# Altium PCB Iris.PcbDoc (part 2 of 13) (continued)
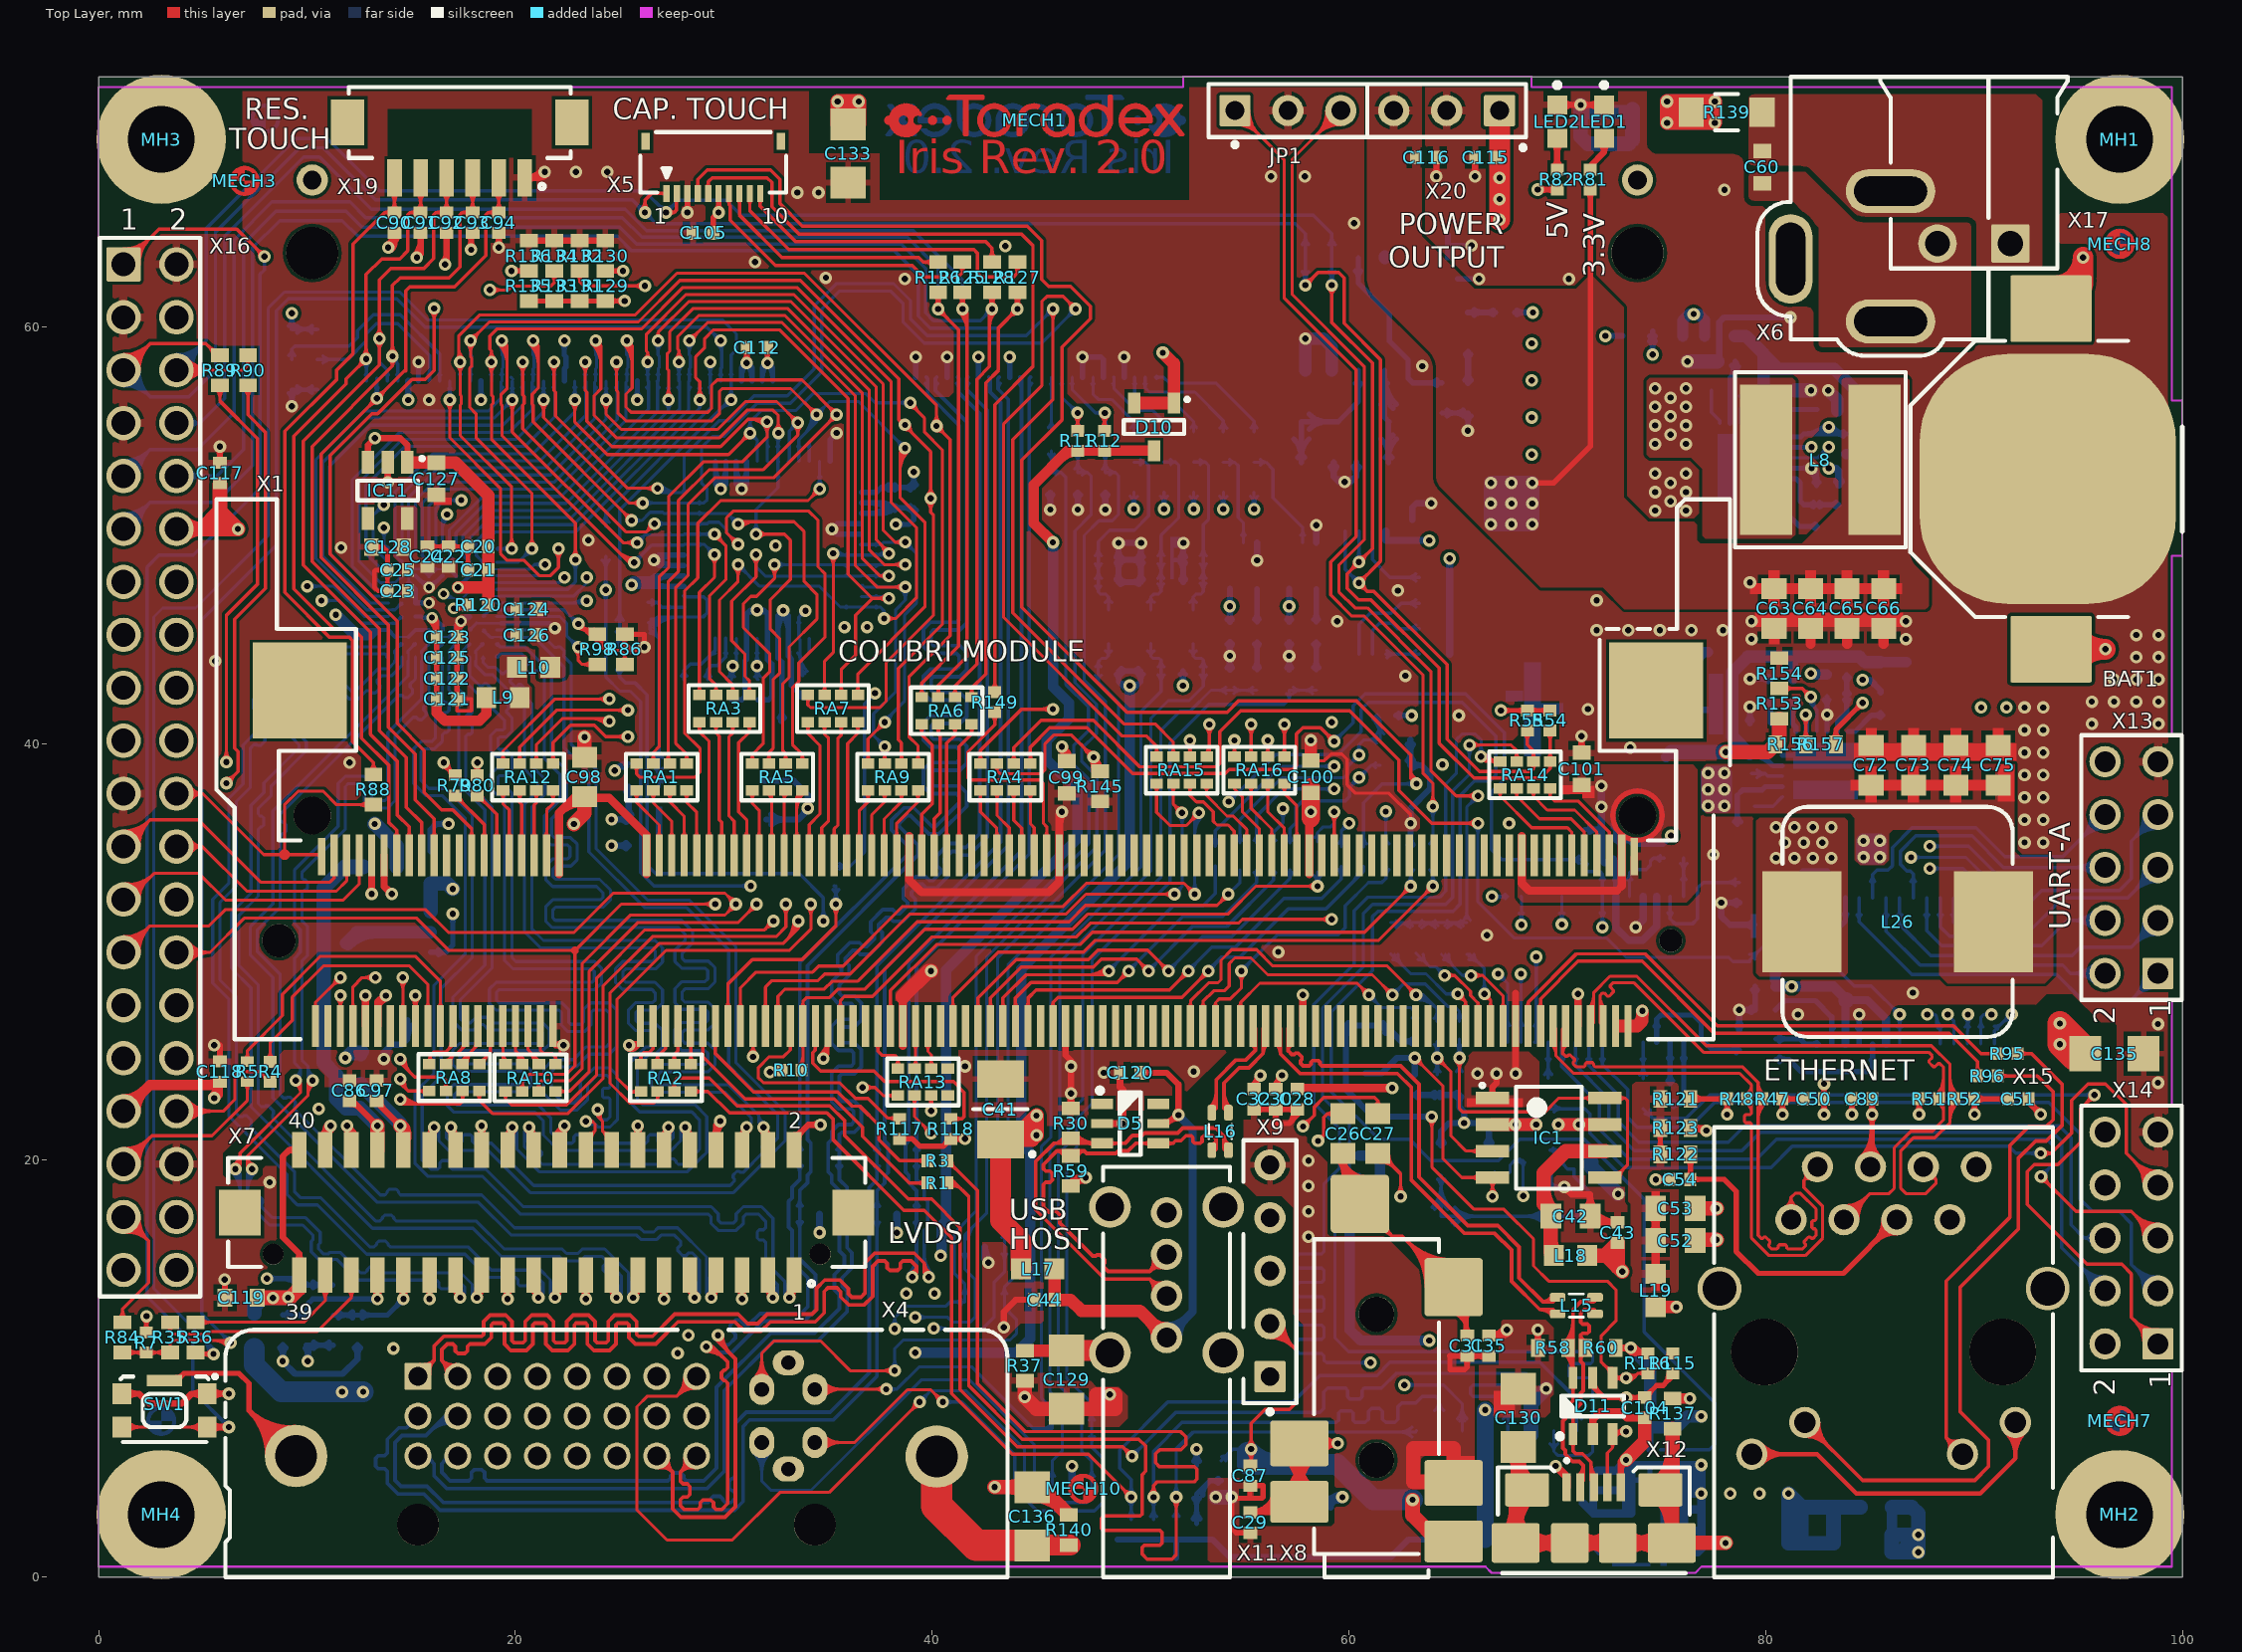
[diagram p0: Top Layer view]
## Part data (continued)

## Via types
v1: diameter 0.6, hole 0.3, Top Layer to Bottom Layer, tented both sides, 651 vias
v2: diameter 0.55, hole 0.3, Top Layer to Bottom Layer, tented both sides, 7 vias

## Nets (pads, with @x,y where several pads share a name; then routed paths per layer and width w, separated by ;. In a path a pad name is that pad's centre, name@x,y a point inside that pad or via, vN(x,y) a via of type N, cw(c..) or ccw(c..) an arc to the next point about the centre after c; other vN are vias at no path point)
1.8V_LVDS: C22.2 C23.2 C24.2 C25.2 C128.2 IC9.G3 IC9.G5 IC11.5 L9.1 L10.1 | length 2.8
  Bottom Layer w0.2: IC9.G3@15.2,48.05 v2@15.748,47.502 ; 15.378,47.872 ccw(c15.85,48.344) 15.85,47.677 ccw(c15.85,48.344) 16.322,47.872 ; v2@15.952,47.502 IC9.G5@16.5,48.05
  Bottom Layer w0.254: v2@15.748,47.502 v2(15.85,47.502) v2@15.952,47.502
3.3V: C20.2 C21.2 C33.2 C36.2 C45.2 C63.2 C64.2 C65.2 C66.2 C98.2 C99.1 C100.1 C101.1 C105.2 C112.2 C116.1 C118.2 C127.2 C132.2 IC4.23 IC4.26 IC6.23 IC6.26 IC7.3 IC9.G7 IC11.1 IC11.3 IC12.8 IC13.3 L8.2 L19.1 L25.1 R6.1 R24.2 R27.2 R29.1 R43.1 R49.2 R50.2 R53.2 R54.2 R55.2 R56.2 R61.2 R66.2 R75.1 R81.2 R106.1 R107.1 R117.1 R118.1 R119.1 R120.1 R129.1 R131.1 R133.1 R135.1 R141.2 R142.2 R143.2 R144.2 R145.2 X1.40 X1.42 X1.84 X1.108 X1.148 X1.182 X1.198 X1.200 X3.3 X3.4 X3.36 X5.6 X15.9 X15.12 X16.33 X20.3 | length 275.8
  Top Layer w0.15: R129.1@24.306,61.242 v1@25.235,61.242 ; R129.1@24.582,61.063 cw(c25.014,60.631) v1@25.014,61.242 ; R129.1@24.582,61.065 cw(c25.009,60.638) 25.009,61.242 cw(c25.009,61.845) R129.1@24.582,61.418 ; R129.1@24.582,61.416 ccw(c25.004,61.838) v1@25.004,61.242 ; 24.805,61.186 cw(c24.869,60.948) v1@25.061,61.101 ; 24.806,61.187 cw(c24.869,60.952) v1@25.06,61.103 ; 24.806,61.296 ccw(c24.869,61.531) v1@25.06,61.381 ; 24.807,61.294 ccw(c24.869,61.527) v1@25.059,61.379 ; 24.832,61.193 ccw(c24.742,61.527) 25.042,61.354 cw(c24.746,61.525) 24.835,61.195 ; 24.835,61.288 cw(c24.746,60.958) 25.042,61.129 ccw(c24.751,60.961) 24.838,61.286 ; v1@25.078,61.083 ccw(c24.694,60.698) 24.694,61.242 ccw(c24.694,61.785) v1@25.078,61.401
  Top Layer w0.2: X15.9@79.341,5.9 82.467,5.9 84.353,4.013 90.297,4.013 91.991,5.707 X15.12@91.991,7.42 ; X15.9@79.659,5.582 cw(c80.427,4.814) 80.427,5.9 cw(c80.427,6.986) X15.9@79.659,6.218 ; X15.9@79.801,5.44 cw(c80.91,4.331) 80.91,5.9 cw(c80.91,7.469) X15.9@79.801,6.36 ; X15.12@91.531,6.96 cw(c90.422,5.851) 91.991,5.851 cw(c93.56,5.851) X15.12@92.451,6.96 ; X15.12@91.673,7.102 cw(c90.905,6.334) 91.991,6.334 cw(c93.077,6.334) X15.12@92.309,7.102
  Top Layer w0.254: R135.1@20.642,61.239 24.306,61.239 R129.1@24.308,61.237 ; C105.2@29.382,64.697 ccw(c29.103,64.975) 29.497,64.975 ccw(c29.89,64.975) C105.2@29.612,64.697 ; C105.2@29.497,64.516 29.497,65.236 ; v1@29.578,65.47 cw(c29.296,65.437) 29.497,65.236 ; v1@29.628,65.612 ccw(c29.332,65.907) 29.75,65.907 ccw(c30.168,65.907) v1@29.872,65.612 ; v1@29.73,65.318 ccw(c29.698,65.036) 29.497,65.236 ; X5.6@29.75,66.4 v1(29.75,65.49) 29.497,65.236 ; v1@30.978,58.394 ccw(c30.664,58.708) C112.2@31.108,58.708 ; C112.2@30.992,58.849 cw(c30.714,58.571) 31.108,58.571 cw(c31.501,58.571) C112.2@31.223,58.849 ; v1@31.01,58.42 ccw(c30.914,58.578) 31.093,58.626 ; v1(31.1,58.272) 31.108,58.28 C112.2@31.108,58.953 ; 31.108,58.671 ccw(c31.499,58.671) v1@31.222,58.394 ; 31.129,58.65 ccw(c31.356,58.59) v1@31.208,58.407 ; R117.1@38.43,21.034 39.063,21.034 39.421,20.676 40.536,20.676 R118.1@40.894,21.034 v1(41.58,21.034) ; R117.1@38.567,20.922 cw(c38.837,20.652) 38.837,21.034 cw(c38.837,21.415) R117.1@38.567,21.146 ; 40.582,20.721 ccw(c40.269,21.034) R118.1@40.711,21.034 ; R118.1@40.642,20.782 cw(c40.869,20.555) R118.1@40.869,20.876 ; R118.1@41.031,20.922 cw(c41.3,20.652) 41.3,21.034 cw(c41.3,21.415) R118.1@41.031,21.146 ; 41.231,21.015 cw(c41.279,20.833) v1@41.436,20.938 ; 41.231,21.052 ccw(c41.279,21.234) v1@41.436,21.13 ; v1@41.457,20.911 ccw(c41.162,20.616) 41.162,21.034 ccw(c41.162,21.451) v1@41.457,21.156 ; v1(67.297,41.59) R54.2@69.659,41.59 ; v1@67.43,41.478 cw(c67.7,41.208) 67.7,41.59 cw(c67.7,41.971) v1@67.43,41.701 ; R55.2@68.43,41.478 ccw(c68.161,41.208) 68.161,41.59 ccw(c68.161,41.971) R55.2@68.43,41.701 ; R55.2@68.704,41.478 cw(c68.973,41.208) 68.973,41.59 cw(c68.973,41.971) R55.2@68.704,41.701 ; v1(68.796,52.514) 69.837,52.514 71.59,54.267 R81.2@71.59,66.587 ; R54.2@69.522,41.478 ccw(c69.253,41.208) 69.253,41.59 ccw(c69.253,41.971) R54.2@69.522,41.701 ; R81.2@71.478,66.425 cw(c71.208,66.155) 71.59,66.155 cw(c71.971,66.155) R81.2@71.701,66.425 ; 75.032,36.546 ccw(c73.85,36.546) 75.032,36.546
  Top Layer w0.3: IC11.3@12.918,53.496 12.918,54.32 v1(13.258,54.66) ; v1@13.131,54.66 v1(13.258,54.66) ; v1@13.237,54.554 cw(c13.493,54.298) 13.493,54.66 cw(c13.493,55.022) v1@13.237,54.766 ; IC11.1@14.818,53.496 14.818,54.32 14.479,54.66 v1(13.258,54.66) ; C127.2@16.189,53.496 C127.2@16.205,53.48
  Top Layer w0.35: 72.873,32.944 73.1,33.171
  Top Layer w0.4: X1.40@22.1,33.731 22.1,36.68 ; C98.2@22.869,37.448 22.1,36.68 ; C98.2@23.343,37.398 24.501,37.398 26.3,35.6 X1.42@26.3,33.731 ; C98.2@23.506,37.151 ccw(c23.277,35.503) 22.1,36.68 ; X1.84@38.9,35.56 38.9,33.465 39.497,32.868 45.593,32.868 46.1,33.375 v1@46.1,36.601 ; 46.1,36.18 cw(c46.775,36.18) v1@46.298,36.658 ; X1.148@58.1,33.731 v1@58.1,36.881 ; v1@58.1,36.455 cw(c58.602,36.455) v1@58.247,36.81 ; X1.182@68.3,35.56 68.3,33.3 68.656,32.944 72.873,32.944 ; 73.1,33.171 X1.198@73.1,34.646 X1.198@73.1,35.543
  Top Layer w0.5: X16.33@1.191,22.36 2.453,23.622 5.57,23.622 5.715,23.767 5.715,23.165 v1(5.537,22.987) ; X16.33@1.191,22.935 ccw(c1.191,24.323) 2.173,23.342 ccw(c3.154,22.36) X16.33@1.766,22.36 ; 5.331,23.622 ccw(c5.331,24.213) C118.2@5.748,23.795 ; v1@5.502,23.022 ccw(c4.987,23.537) C118.2@5.715,23.537
  Top Layer w0.6: IC11.1@14.818,53.496 C127.2@16.189,53.496 ; C127.2@16.205,53.48 17.132,53.48 18.694,51.918 18.694,47.496 ; v2(17.246,47.496) 18.694,47.496 ; R120.1@18.694,46.66 18.694,47.496 ; L19.1@74.722,12.958 v1@75.714,12.958
  Top Layer w0.7: v1(22.809,36.144) 23.317,36.652 C98.2@23.317,37.448
  Top Layer w0.9: 58.176,36.427 C100.1@58.176,37.897
  MidLayer1 w1: v1(9.271,60.653) 14.836,60.653 15.684,59.805 16.676,59.805 17.526,60.655 20.93,60.655 24.308,64.033 28.294,64.033 v1(29.75,65.49)
  MidLayer2 w0.7: v1(66.815,50.533) v1(66.815,52.515) v1(68.796,52.514) v1(68.796,50.533) v1(66.815,50.533)
  MidLayer2 w1: v1(79.248,47.737) 83.134,51.623 v1@83.134,53.213
  Bottom Layer w0.2: R43.1@9.112,60.041 ccw(c8.728,60.425) 9.271,60.425 ccw(c9.814,60.425) R43.1@9.43,60.041 ; v1@9.13,60.511 cw(c8.788,60.17) 9.271,60.17 cw(c9.754,60.17) v1@9.412,60.511 ; v1@9.145,60.497 cw(c8.996,60.313) 9.225,60.252 ; v1@9.171,60.479 cw(c9.03,60.236) 9.302,60.308 ; 9.24,60.308 cw(c9.512,60.236) v1@9.371,60.479 ; v1(9.271,60.653) R43.1@9.271,59.882 9.274,59.885 R75.1@10.49,59.885 ; 9.317,60.252 cw(c9.546,60.313) v1@9.397,60.497 ; R43.1@9.53,59.723 cw(c9.922,59.331) 9.922,59.885 ; R43.1@9.53,60.041 ccw(c9.906,60.417) 9.906,59.885 ; R75.1@10.231,59.726 ccw(c9.847,59.342) 9.847,59.885 ccw(c9.847,60.428) R75.1@10.231,60.044 ; v2(17.246,47.496) IC9.G7@17.8,48.05 ; v2@17.246,47.671 ccw(c17.246,48.094) 17.545,47.795 ccw(c17.844,47.496) v2@17.421,47.496
  Bottom Layer w0.254: IC7.3@15.93,29.987 16.652,29.987 16.993,30.328 v1(16.993,31.826) ; IC7.3@16.302,29.865 cw(c16.597,29.57) 16.597,29.987 cw(c16.597,30.405) IC7.3@16.302,30.11 ; v1@16.87,31.704 cw(c16.575,31.409) 16.993,31.409 cw(c17.41,31.409) v1@17.115,31.704 ; X3.4@30.85,57.4 30.85,58.022 v1(31.1,58.272) 31.35,58.022 X3.3@31.35,57.4 ; X3.4@30.85,57.568 cw(c31.861,57.568) v1@31.211,58.343 ; 30.85,57.91 cw(c31.404,57.91) v1@31.048,58.334 ; v1@30.989,58.343 cw(c30.339,57.568) X3.3@31.35,57.568 ; v1@31.152,58.334 cw(c30.796,57.91) 31.35,57.91 ; R119.1@62.255,41.354 R119.1@62.253,41.351 62.255,41.349 v1(63.015,41.349) ; R119.1@62.39,41.239 cw(c62.653,40.976) 62.653,41.349 ; R119.1@62.39,41.463 ccw(c62.666,41.739) 62.666,41.349 ; v1@62.892,41.226 ccw(c62.597,40.931) 62.597,41.349 ccw(c62.597,41.766) v1@62.892,41.471 ; R53.2@64.465,55.866 R56.2@65.717,55.866 65.717,55.023 v1(65.71,55.016) ; R53.2@64.705,55.726 cw(c65.043,55.388) 65.043,55.866 cw(c65.043,56.344) R53.2@64.705,56.006 ; R56.2@65.477,55.726 ccw(c65.139,55.388) 65.139,55.866 ccw(c65.139,56.344) R56.2@65.477,56.006 ; R56.2@65.577,55.726 cw(c65.239,55.388) 65.717,55.388 cw(c66.195,55.388) R56.2@65.857,55.726 ; v1@65.587,55.139 ccw(c65.275,55.451) 65.717,55.451 ; 65.717,55.417 ccw(c66.111,55.417) v1@65.832,55.139 ; R107.1@71.323,35.879 72.106,35.879 72.118,35.89 ; R107.1@71.563,35.739 cw(c71.901,35.401) 71.901,35.879 cw(c71.901,36.357) R107.1@71.563,36.019 ; 72.093,35.739 ccw(c71.755,35.401) 71.755,35.879 ccw(c71.755,36.357) 72.093,36.019 ; C45.2@72.705,34.269 cw(c72.426,33.991) 72.82,33.991 cw(c73.214,33.991) C45.2@72.935,34.269 ; IC6.23@72.751,33.439 ccw(c72.583,33.607) 72.82,33.607 ccw(c73.057,33.607) IC6.23@72.889,33.439 ; IC6.23@72.82,32.67 C45.2@72.82,34.283 ; 84.126,27.686 ccw(c83.871,27.686) 84.126,27.686
  Bottom Layer w0.3: v1@14.744,56.596 ccw(c14.488,56.852) 14.85,56.852 ccw(c15.212,56.852) v1@14.956,56.596 ; v1(14.85,56.49) X3.36@14.85,57.4 ; v1(24.613,36.36) R6.1@25.437,36.36 R29.1@25.437,37.922 ; v1@24.719,36.254 cw(c24.975,35.998) 24.975,36.36 cw(c24.975,36.722) v1@24.719,36.466 ; R6.1@25.313,36.236 ccw(c25.015,35.938) 25.015,36.36 ccw(c25.015,36.783) R6.1@25.313,36.484 ; R6.1@25.313,36.584 ccw(c25.015,36.883) 25.437,36.883 ccw(c25.859,36.883) R6.1@25.561,36.584 ; R29.1@25.313,37.698 cw(c25.015,37.4) 25.437,37.4 cw(c25.859,37.4) R29.1@25.561,37.698 ; R61.2@63.17,23.142 R50.2@65.303,23.142 65.303,22.555 65.532,22.327 v1(65.532,21.793) ; R61.2@63.29,23.047 cw(c63.521,22.816) 63.521,23.142 cw(c63.521,23.468) R61.2@63.29,23.237 ; R49.2@64.116,23.047 ccw(c63.886,22.816) 63.886,23.142 ccw(c63.886,23.468) R49.2@64.116,23.237 ; R27.2@64.305,20.839 ccw(c64.007,21.137) 64.429,21.137 ccw(c64.851,21.137) R27.2@64.553,20.839 ; R49.2@64.357,23.047 cw(c64.588,22.816) 64.588,23.142 cw(c64.588,23.468) R49.2@64.357,23.237 ; R27.2@64.429,20.715 64.429,21.401 64.821,21.793 v1(65.532,21.793) ; R50.2@65.183,23.047 ccw(c64.952,22.816) 64.952,23.142 ccw(c64.952,23.468) R50.2@65.183,23.237 ; R50.2@65.208,23.047 cw(c64.977,22.816) 65.303,22.816 cw(c65.629,22.816) R50.2@65.399,23.047 ; v1@65.426,21.687 ccw(c65.17,21.431) 65.17,21.793 ccw(c65.17,22.155) 65.426,21.899 ccw(c65.17,22.155) 65.532,22.155 ccw(c65.894,22.155) 65.638,21.899 ccw(c65.894,22.155) 65.894,21.793 ccw(c65.894,21.431) v1@65.638,21.687 ; R24.2@66.602,20.839 ccw(c66.303,21.137) 66.726,21.137 ccw(c67.148,21.137) R24.2@66.85,20.839 ; R24.2@66.726,20.715 66.726,21.438 66.37,21.793 v1(65.532,21.793)
  Bottom Layer w0.35: IC12.8@61.783,50.194 61.783,49.751 C132.2@63.043,49.751 v1(63.863,49.751) ; R141.2@64.835,44.294 R142.2@64.835,45.517 R143.2@64.835,46.736 R144.2@64.835,47.955 v1(64.835,48.881) ; v1@72.03,36.877 cw(c71.816,36.663) 72.118,36.663 cw(c72.42,36.663) v1@72.206,36.877 ; v1@72.03,37.054 ccw(c71.816,37.267) 72.118,37.267 ccw(c72.42,37.267) v1@72.206,37.054 ; v1@72.03,37.875 cw(c71.816,37.661) 72.118,37.661 cw(c72.42,37.661) v1@72.206,37.875 ; v1@72.118,38.065 v1(72.118,37.963) v1(72.118,36.965) 72.118,35.89 72.118,34.435 72.27,34.283 ; C45.2@72.697,34.464 cw(c72.27,34.875) 72.27,34.283 ; IC6.23@72.82,32.67 72.82,31.168 73.419,30.569 74.105,30.569 74.77,31.234 IC6.26@74.77,32.67 ; C45.2@72.82,34.283 72.27,34.283 ; IC13.3@74.451,6.11 C33.2@74.451,7.181 ; v1(83.033,53.217) 83.384,53.217 83.515,53.086 ; v1@83.107,53.116 cw(c83.293,52.864) 83.515,53.086 ; v1@83.121,53.129 cw(c83.334,52.915) 83.334,53.217 cw(c83.334,53.519) v1@83.121,53.305 ; R66.2@83.403,52.586 ccw(c83.134,52.855) 83.515,52.855 ccw(c83.897,52.855) R66.2@83.627,52.586 ; R66.2@83.515,52.423 83.515,53.086
  Bottom Layer w0.4: R106.1@80.684,29.427 R106.1@80.684,29.54 ; IC4.26@83.835,25.59 83.835,27.65 83.871,27.686 84.887,27.686 85.785,26.788 IC4.23@85.785,25.59
  Bottom Layer w0.5: 80.446,28.685 cw(c81.44,28.685) R106.1@80.737,29.387 ; 80.446,28.744 R106.1@80.446,29.545 ; R106.1@80.446,29.189 R106.1@80.684,29.427 ; C36.2@80.472,28.338 83.244,28.338 83.835,27.747
  Bottom Layer w0.6: L25.1@12.577,25.05 ccw(c12.302,24.452) v1(11.836,24.917) 12.128,25.209 L25.1@12.675,25.209 ; C33.2@74.451,7.181 75.71,7.181 76.251,7.722 v1(76.911,7.722)
  Bottom Layer w0.7: v1(66.815,50.533) v1(68.796,50.533) v1(68.796,52.514) v1(66.815,52.515) v1(66.815,50.533)
  other v1: 75.717,12.958 81.255,28.338 46.227,36.728 58.176,36.728 67.805,50.533 66.815,51.524 67.805,51.524 68.796,51.524 67.805,52.515 25.237,61.242
3.3V_MMC: C34.2 C137.2 C138.2 C139.2 IC13.1 R101.2 R102.2 R103.2 R104.2 R105.2 X10.4 | length 50.9
  MidLayer2 w0.8: v1(63.856,11.354) 63.856,10.71 v1(66.539,8.026)
  Bottom Layer w0.3: 48.895,1.806 R104.2@50.622,1.806 R105.2@51.689,1.806 ; 51.714,0.914 R105.2@51.714,1.806 53.439,1.806 54.28,0.965 62.027,0.965 62.868,1.806 71.397,1.806 72.019,1.184 C139.2@73.558,1.184
  Bottom Layer w0.5: R101.2@60.5,20.218 61.163,20.218 61.491,19.891 R103.2@61.491,19.329 61.491,18.463 60.046,17.018 60.046,11.862 60.554,11.354 v1(63.856,11.354)
  Bottom Layer w0.8: 66.539,1.806 v1(66.539,8.026)
3.3V_PGOOD: IC5.1 R64.2 R157.2 | length 33.9
  Top Layer w0.254: R157.2@83.223,40.223 ccw(c82.852,40.594) 83.377,40.594 ccw(c83.902,40.594) R157.2@83.531,40.223 ; R157.2@83.377,39.968 83.377,40.68 v1(84.658,41.961) ; v1@84.485,41.961 cw(c84.068,41.961) 84.363,41.665 cw(c84.658,41.37) v1@84.658,41.788
  MidLayer2 w0.3: v1@83.03,55.044 cw(c83.03,54.682) 83.286,54.938 cw(c83.542,55.194) v1@83.18,55.194 ; v1(83.03,55.194) 85.344,52.88 85.344,42.647 v1(84.658,41.961) ; 84.914,42.217 cw(c84.658,42.473) 84.658,42.111 ccw(c84.658,42.473) 84.914,42.217 ; 84.914,42.217 ccw(c85.17,41.961) 84.808,41.961 cw(c85.17,41.961) 84.914,42.217
  Bottom Layer w0.25: IC5.1@80.945,54.717 81.692,54.717 81.836,54.861 ; 82.645,54.878 ccw(c82.418,55.254) v1@82.856,55.211 ; v1(83.03,55.194) 83.03,54.861 ; v1@83.108,55.037 cw(c83.243,54.765) 83.466,54.971 ; R64.2@83.733,54.748 ccw(c83.46,54.475) 83.46,54.861 ccw(c83.46,55.248) R64.2@83.733,54.975 ; 81.836,54.861 ccw(c81.836,56.343) 82.904,55.316 cw(c81.836,56.343) 81.836,54.861 ; 81.836,54.861 R64.2@83.871,54.861 ; 83.03,54.861 cw(c83.259,54.861) 83.129,55.05 ccw(c83.259,54.861) 83.03,54.861 ; 83.03,54.861 ccw(c82.801,54.861) 82.931,55.05 cw(c82.801,54.861) 83.03,54.861 ; R64.2@83.871,54.861 cw(c83.871,55.636) 83.185,55.276 ccw(c83.871,55.636) R64.2@83.871,54.861 ; 82.424,54.861 ccw(c82.424,55.778) 83.084,55.142 cw(c82.424,55.778) 82.424,54.861 ; 82.742,55.043 ccw(c83.043,55.201) 83.043,54.861 cw(c83.043,55.201) 82.742,55.043 ; v1@82.964,55.159 ccw(c83.457,55.419) 83.457,54.861 cw(c83.457,55.419) v1@82.964,55.159 ; 83.012,54.861 ccw(c83.012,55.212) 83.264,54.969 cw(c83.012,55.212) 83.012,54.861
5V: C72.2 C73.2 C74.2 C75.2 C84.2 C95.2 C96.2 C115.2 C117.2 D10.1 D10.2 IC1.2 IC3.5 IC7.1 IC10.5 L26.2 L31.1 R73.2 R82.2 R99.1 X16.12 X20.1 | length 89.1
  Top Layer w0.3: v1(69.063,66.587) R82.2@70,66.587 ; v1@69.169,66.481 cw(c69.425,66.225) 69.425,66.587 cw(c69.425,66.949) v1@69.169,66.693 ; R82.2@69.803,66.492 ccw(c69.573,66.261) 69.573,66.587 ccw(c69.573,66.913) R82.2@69.803,66.683
  Top Layer w0.6: D10.2@49.759,56.344 D10.1@51.598,56.344 51.598,58.232 v1(51.071,58.758) ; IC1.2@66.896,21.717 v1(68.986,21.717)
  Top Layer w0.7: X16.12@3.731,50.3 v1(6.681,50.3) 5.817,51.165 4.952,50.3 ; X16.12@4.067,49.964 cw(c4.878,49.153) 4.878,50.3 cw(c4.878,51.447) X16.12@4.067,50.636 ; 5.817,50.317 C117.2@5.817,52.426
  Top Layer w1: v1(67.234,65.136) X20.1@67.234,70.38
  MidLayer2 w0.7: 77.318,38.1 83.744,38.1 ; v1@77.394,37.567 83.82,37.567 85.115,36.271 85.115,34.595 ; v1(77.241,37.008) 83.871,37.008 84.696,36.182 v1(84.696,34.544) v1(85.484,34.544) 85.484,36.436 83.337,38.583 v1(77.241,38.583) v1(77.241,37.008)
  Bottom Layer w0.3: v1(24.613,35.103) R99.1@25.437,35.103 ; v1@24.719,34.997 cw(c24.975,34.741) 24.975,35.103 cw(c24.975,35.465) v1@24.719,35.209 ; R99.1@25.313,34.979 ccw(c25.015,34.68) 25.015,35.103 ccw(c25.015,35.525) R99.1@25.313,35.227 ; v1@54.184,46.488 cw(c53.928,46.232) 54.29,46.232 cw(c54.652,46.232) v1@54.396,46.488 ; v1@54.184,46.7 ccw(c53.928,46.956) 54.29,46.956 ccw(c54.652,46.956) v1@54.396,46.7 ; C95.2@54.191,45.953 ccw(c53.952,46.192) 54.29,46.192 ccw(c54.628,46.192) C95.2@54.389,45.953 ; C95.2@54.29,45.854 IC10.5@54.29,47.439 ; v1@57.029,46.488 cw(c56.773,46.232) 57.135,46.232 cw(c57.497,46.232) v1@57.241,46.488 ; v1@57.029,46.7 ccw(c56.773,46.956) 57.135,46.956 ccw(c57.497,46.956) v1@57.241,46.7 ; C96.2@57.036,45.953 ccw(c56.797,46.192) 57.135,46.192 ccw(c57.473,46.192) C96.2@57.234,45.953 ; C96.2@57.135,45.854 v1(57.135,46.594) IC3.5@57.135,47.439
  Bottom Layer w0.5: v1(82.169,43.362) 82.22,43.311 R73.2@82.934,43.311
  Bottom Layer w0.6: v1(67.996,21.717) v1(68.986,21.717)
  Bottom Layer w0.7: v1(13.246,36.144) 14.313,35.077 L31.1@14.313,34.087 ; IC7.1@15.926,31.953 C84.2@15.926,33.286 16.726,33.286 v1(16.993,33.02) ; v1(67.234,65.136) v1(67.234,67.151) ; 77.635,37.008 77.635,38.583 ; v1(77.241,37.008) v1(77.241,38.583) v1(78.029,38.583) v1(78.029,37.008) v1(77.241,37.008) ; v1(84.696,34.544) v1(85.484,34.544) v1(85.484,35.331) v1(84.696,35.331) v1(84.696,34.544)
  other v1: 77.241,37.795 78.029,37.795 54.29,46.594 67.234,66.132
5V_PGOOD: IC14.1 R150.2 | length 2.2
  Bottom Layer w0.25: R150.2@81.192,42.028 cw(c80.919,41.755) 81.305,41.755 cw(c81.692,41.755) R150.2@81.419,42.028 ; R150.2@81.305,42.141 81.305,40.945 81.452,40.798 IC14.1@81.452,40.584
ANALOG_IN0: X1.8 X16.25 | length 20.9
  Top Layer w0.152: X16.25@1.191,32.52 1.407,32.52 2.661,33.774 ; X16.25@1.217,32.81 ccw(c1.302,33.751) 1.97,33.083 ; X16.25@1.231,32.962 ccw(c1.34,34.173) 2.2,33.313 ; X16.25@1.245,33.114 ccw(c1.379,34.596) 2.431,33.544 ; X16.25@1.258,33.266 ccw(c1.417,35.018) 2.661,33.774 ; X16.25@1.787,32.52 cw(c2.706,32.52) 2.056,33.169 ; X16.25@1.94,32.52 cw(c3.226,32.52) 2.317,33.43 ; X1.8@12.43,33.751 cw(c12.261,33.582) 12.5,33.582 cw(c12.739,33.582) X1.8@12.57,33.751 ; X1.8@12.5,34.646 12.5,33.252 11.735,32.487 6.096,32.487 4.809,33.774 2.661,33.774
ANALOG_IN1: X1.6 X16.24 | length 13.4
  Top Layer w0.152: X16.24@3.731,35.06 4.97,35.06 7.112,32.918 11.405,32.918 11.9,33.414 X1.6@11.9,34.646 ; X16.24@4.259,34.783 cw(c4.718,34.541) 4.718,35.06 cw(c4.718,35.579) X16.24@4.259,35.337 ; X16.24@4.394,34.712 cw(c4.97,34.409) 4.97,35.06 cw(c4.97,35.711) X16.24@4.394,35.408 ; X1.6@11.83,33.751 cw(c11.661,33.582) 11.9,33.582 cw(c12.139,33.582) X1.6@11.97,33.751
ANALOG_IN2: X1.4 X16.23 | length 20.2
  Top Layer w0.152: X16.23@1.191,35.06 1.191,35.073 2.463,36.345 ; X16.23@1.191,35.504 ccw(c1.191,36.545) 1.927,35.809 ; X16.23@1.191,35.656 ccw(c1.191,37.065) 2.187,36.069 ; X16.23@1.191,35.809 ccw(c1.191,37.585) 2.447,36.329 ; X16.23@1.635,35.064 cw(c2.707,35.073) 1.949,35.831 ; X16.23@1.787,35.065 cw(c3.216,35.077) 2.206,36.088 ; X16.23@1.94,35.066 cw(c3.726,35.082) 2.463,36.345 ; X1.4@11.23,33.751 cw(c11.061,33.582) 11.3,33.582 cw(c11.539,33.582) X1.4@11.37,33.751 ; X1.4@11.3,34.646 11.3,33.55 11.1,33.35 7.772,33.35 4.778,36.345 2.463,36.345
ANALOG_IN3: R88.2 X1.2 X16.22 | length 20.1
  Top Layer w0.152: X16.22@3.731,37.6 4.996,37.6 7.921,34.675 10.671,34.675 X1.2@10.7,34.646 ; X16.22@4.254,37.313 cw(c4.738,37.047) 4.738,37.6 cw(c4.738,38.153) X16.22@4.254,37.887 ; X16.22@4.387,37.24 cw(c4.996,36.906) 4.996,37.6 cw(c4.996,38.294) X16.22@4.387,37.96 ; 8.915,34.675 8.915,37.059 9.576,37.719 10.77,37.719 11.418,37.07 R88.2@13.183,37.07 ; 10.391,34.675 cw(c10.391,34.337) X1.2@10.63,34.576 ; R88.2@12.907,36.894 ccw(c12.482,36.47) 12.482,37.07 ccw(c12.482,37.671) R88.2@12.907,37.246
  Top Layer w0.254: 9.042,34.675 ccw(c8.915,34.675) 9.042,34.675
AUDIO_AGND: C28.1 C29.1 C30.1 C31.1 C32.1 C35.2 C85.1 C87.1 C88.1 IC7.2 L24.1 R158.2 X1.9 X1.11 X8.4 X9.5 X16.26 | length 39.1
  Top Layer w0.254: C29.1@55.194,2.126 54.592,2.126 54.381,2.337 v1(54.381,3.835) 54.432,3.785 55.245,3.785 ; C87.1@55.245,4.365 55.245,3.785 ; C87.1@55.268,4.387 55.88,4.387 55.88,3.835 55.829,3.785 55.245,3.785 ; C32.1@55.448,22.446 C30.1@56.49,22.446 ; C32.1@55.603,22.331 cw(c55.882,22.053) 55.882,22.446 cw(c55.882,22.84) C32.1@55.603,22.561 ; C30.1@56.334,22.331 ccw(c56.056,22.053) 56.056,22.446 ccw(c56.056,22.84) C30.1@56.334,22.561 ; C30.1@56.374,22.331 cw(c56.096,22.053) 56.49,22.053 cw(c56.883,22.053) C30.1@56.605,22.331 ; C30.1@56.645,22.331 cw(c56.923,22.053) 56.923,22.446 cw(c56.923,22.84) C30.1@56.645,22.561 ; C28.1@57.331,22.418 cw(c56.606,22.288) 57.126,21.768 ; C28.1@57.376,22.331 ccw(c57.097,22.053) 57.097,22.446 ccw(c57.097,22.84) C28.1@57.376,22.561 ; 57.471,22.112 ccw(c57.19,22.393) C28.1@57.581,22.462 ; 64.846,10.61 64.846,9.957 65.557,9.957 65.677,10.076 C31.1@65.677,10.61 ; C31.1@65.562,10.495 cw(c65.283,10.216) 65.677,10.216 cw(c66.071,10.216) C31.1@65.792,10.495 ; C30.1@56.49,22.446 C28.1@57.531,22.446 57.531,22.172 57.126,21.768 ; C30.1@56.49,22.446 56.49,21.844 56.566,21.768 57.126,21.768
  Top Layer w0.3: 64.846,10.61 C31.1@65.677,10.61 C35.2@66.726,10.61 ; C31.1@65.538,10.511 ccw(c65.299,10.272) 65.299,10.61 ccw(c65.299,10.948) C31.1@65.538,10.709 ; C31.1@65.867,10.511 cw(c66.106,10.272) 66.106,10.61 cw(c66.106,10.948) C31.1@65.867,10.709 ; C35.2@66.511,10.511 ccw(c66.272,10.272) 66.272,10.61 ccw(c66.272,10.948) C35.2@66.511,10.709
  Top Layer w0.35: v1@12.712,27.817 cw(c12.498,27.603) 12.8,27.603 cw(c13.102,27.603) v1@12.888,27.817 ; X1.9@12.8,26.446 v1(12.8,27.905) ; X1.11@13.4,26.446 13.4,27.605 13.7,27.905 v1(13.776,27.905) ; X1.11@13.4,27.271 cw(c14.207,27.271) v1@13.636,27.842 ; 13.433,27.638 cw(c13.776,27.294) v1@13.776,27.78 ; 13.44,27.502 cw(c13.966,27.198) v1@13.809,27.784
  Top Layer w0.7: X8.4@65.029,4.518 64.975,4.572 63.094,4.572 63.094,6.172 65.029,6.172 X8.4@65.029,4.515 X8.4@65.179,4.515
  Bottom Layer w0.6: C85.1@11.862,30.416 12.383,30.937 IC7.2@15.93,30.937 ; C85.1@11.972,30.381 cw(c13.315,29.038) 13.315,30.937
  Bottom Layer w0.7: v1(53.619,3.835) v1(54.381,3.835)
  other v1: 58.064,16.328 58.064,17.548 58.064,18.769 58.064,19.99
AUDIO_AVCC: C85.2 IC7.5 R38.1 X1.10 X1.12 X9.1 | length 11.9
  Top Layer w0.35: v1@13.012,32.869 ccw(c12.798,33.082) 13.1,33.082 ccw(c13.402,33.082) v1@13.188,32.869 ; v1(13.1,32.78) X1.10@13.1,34.646 ; X1.12@13.7,34.646 13.7,33.152 v1(14.071,32.78) ; v1@13.946,32.78 ccw(c13.645,32.78) 13.858,32.994 ccw(c14.071,33.207) v1@14.071,32.905
  MidLayer2 w0.254: 55.067,8.763 55.067,9.471 55.216,9.62 X9.1@56.213,9.62 56.213,8.588 56.134,8.509 55.321,8.509 55.067,8.763
  Bottom Layer w0.254: R38.1@52.552,5.564 ccw(c52.214,5.902) 52.692,5.902 ccw(c53.17,5.902) R38.1@52.832,5.564 ; v1@52.57,6.024 cw(c52.274,5.729) 52.692,5.729 cw(c53.11,5.729) v1@52.814,6.024 ; v1@52.578,6.017 cw(c52.398,5.811) 52.662,5.74 ; R38.1@52.692,5.373 v1(52.692,6.147) ; 52.722,5.74 cw(c52.986,5.811) v1@52.806,6.017
BL_ON: R36.2 R78.2 R92.1 X3.5 | length 108.5
  Top Layer w0.15: R36.2@4.648,10.781 4.724,10.705 v1(5.512,10.705) ; R36.2@4.823,10.528 cw(c5.25,10.101) 5.25,10.705 cw(c5.25,11.309) R36.2@4.823,10.882 ; R36.2@4.969,10.705 cw(c4.969,10.162) 5.353,10.546 ccw(c4.969,10.162) R36.2@4.969,10.705 ; R36.2@4.969,10.705 ccw(c4.969,11.248) 5.353,10.864 cw(c4.969,11.248) R36.2@4.969,10.705 ; R36.2@5.062,10.654 cw(c5.13,10.4) 5.336,10.564 ccw(c5.13,10.4) R36.2@5.062,10.654 ; R36.2@5.062,10.755 ccw(c5.13,11.01) 5.336,10.846 cw(c5.13,11.01) R36.2@5.062,10.755 ; 5.127,10.672 ccw(c5.047,10.974) 5.317,10.818 cw(c5.047,10.974) 5.127,10.672 ; 5.128,10.738 cw(c5.047,10.437) 5.317,10.592 ccw(c5.047,10.437) 5.128,10.738
  Bottom Layer w0.152: 4.94,11.544 cw(c4.101,10.705) v1@5.288,10.705 ; 5.201,11.284 cw(c4.622,10.705) v1@5.44,10.705 ; 5.461,11.024 cw(c5.142,10.705) v1@5.593,10.705 ; v1(5.512,10.705) 5.512,10.973 2.642,13.843 2.642,46.076 3.073,46.507 4.648,46.507 8.128,49.987 8.128,60.884 8.915,61.671 14.453,61.671 15.799,60.325 29.947,60.325 30.607,59.665 30.607,58.903 30.35,58.646 X3.5@30.35,57.4 v1(30.35,56.49) 30.277,56.49 25.001,51.214 R78.2@25.001,44.651 ; R92.1@24.829,45.368 cw(c24.415,44.954) 25.001,44.954 ; R92.1@24.829,45.92 ccw(c24.415,46.334) 25.001,46.334 ; R78.2@24.846,44.798 ccw(c24.472,45.172) 25.001,45.172 ; R78.2@25.001,44.933 cw(c25.616,44.933) R92.1@25.181,45.368 ; 25.001,45.137 ccw(c25.48,45.137) R78.2@25.141,44.798 ; 25.001,46.355 ccw(c25.616,46.355) R92.1@25.181,45.92 ; 29.843,56.056 cw(c30.35,55.549) v1@30.35,56.266 ; 30.02,56.233 ccw(c29.763,56.49) v1@30.126,56.49 ; 30.103,56.316 cw(c30.35,56.069) v1@30.35,56.418 ; v1@30.192,56.648 ccw(c29.81,57.03) 30.35,57.03 ccw(c30.89,57.03) v1@30.508,56.648 ; X3.5@30.298,57.047 cw(c30.172,56.921) 30.35,56.921 cw(c30.528,56.921) X3.5@30.402,57.047 ; X3.5@30.298,57.702 ccw(c30.172,57.828) 30.35,57.828 ccw(c30.528,57.828) X3.5@30.402,57.702
BL_ON_S: R78.1 X1.71 | length 34.9
  Top Layer w0.152: v1@34.623,25.05 ccw(c33.712,25.961) X1.71@35,25.961 ; v1@34.731,24.942 ccw(c34.08,25.593) X1.71@35,25.593 ; v1(34.781,24.892) 35,25.111 ; v1@34.838,24.835 ccw(c34.448,25.225) 35,25.225 ; v1@34.882,25.092 ccw(c34.928,25.183) 35,25.111 ; X1.71@34.93,25.551 cw(c34.761,25.382) 35,25.382 cw(c35.239,25.382) X1.71@35.07,25.551 ; v1@34.981,24.993 cw(c35.072,25.039) 35,25.111 ; X1.71@35,26.446 35,25.111
  MidLayer1 w0.152: v1@34.623,25.05 ccw(c34.241,25.432) 34.781,25.432 ccw(c35.321,25.432) v1@34.939,25.05 ; v1@34.623,31.327 cw(c34.241,30.945) 34.781,30.945 cw(c35.321,30.945) v1@34.939,31.327 ; v1(34.781,24.892) v1(34.781,31.485)
  Bottom Layer w0.165: R78.1@24.851,43.547 cw(c24.514,43.205) 24.994,43.205 ; R78.1@24.994,43.691 24.994,43.205 ; R78.1@25.136,43.547 ccw(c25.474,43.205) 24.994,43.205 ; v1@34.627,31.639 ccw(c34.256,32.01) 34.781,32.01 ccw(c35.306,32.01) v1@34.935,31.639 ; v1(34.781,31.485) 34.781,32.605 33.63,33.757 26.721,33.757 26.314,34.163 26.314,42.342 25.756,42.901 25.298,42.901 24.994,43.205
BLUE: C1.1 L6.1 R19.1 R21.1 R26.1 | length 13.2
  Bottom Layer w0.152: L6.1@52.361,46.781 ccw(c52.241,47.041) 52.527,47.041 ; L6.1@52.527,46.418 52.527,47.041 ; R19.1@52.553,53.518 53.104,53.518 ; L6.1@52.694,46.781 cw(c52.813,47.041) 52.527,47.041 ; R19.1@52.856,53.647 ccw(c53.104,53.82) 53.104,53.518 ; R19.1@52.858,53.648 ccw(c53.104,53.815) 53.104,53.518 ; R26.1@52.86,47.925 ccw(c52.479,48.305) 53.017,48.305 ; R26.1@52.86,47.706 cw(c52.483,47.328) 53.017,47.328 ; C1.1@52.866,48.628 cw(c52.501,48.263) 53.017,48.263 cw(c53.533,48.263) C1.1@53.168,48.628 ; C1.1@52.866,49.01 ccw(c52.501,49.375) 53.017,49.375 ccw(c53.533,49.375) C1.1@53.168,49.01 ; R19.1@52.867,53.382 cw(c53.104,53.244) 53.104,53.518 ; R19.1@52.869,53.381 cw(c53.104,53.247) 53.104,53.518 ; 53.017,47.374 cw(c53.487,47.374) R26.1@53.155,47.706 ; 53.017,48.257 ccw(c53.487,48.257) R26.1@53.155,47.925 ; 52.527,47.041 52.655,47.168 52.883,47.168 53.017,47.302 53.017,50.503 53.264,50.749 53.264,53.358 53.104,53.518